# Altium PCB SFPP.PcbDoc (part 3 of 4) (continued)
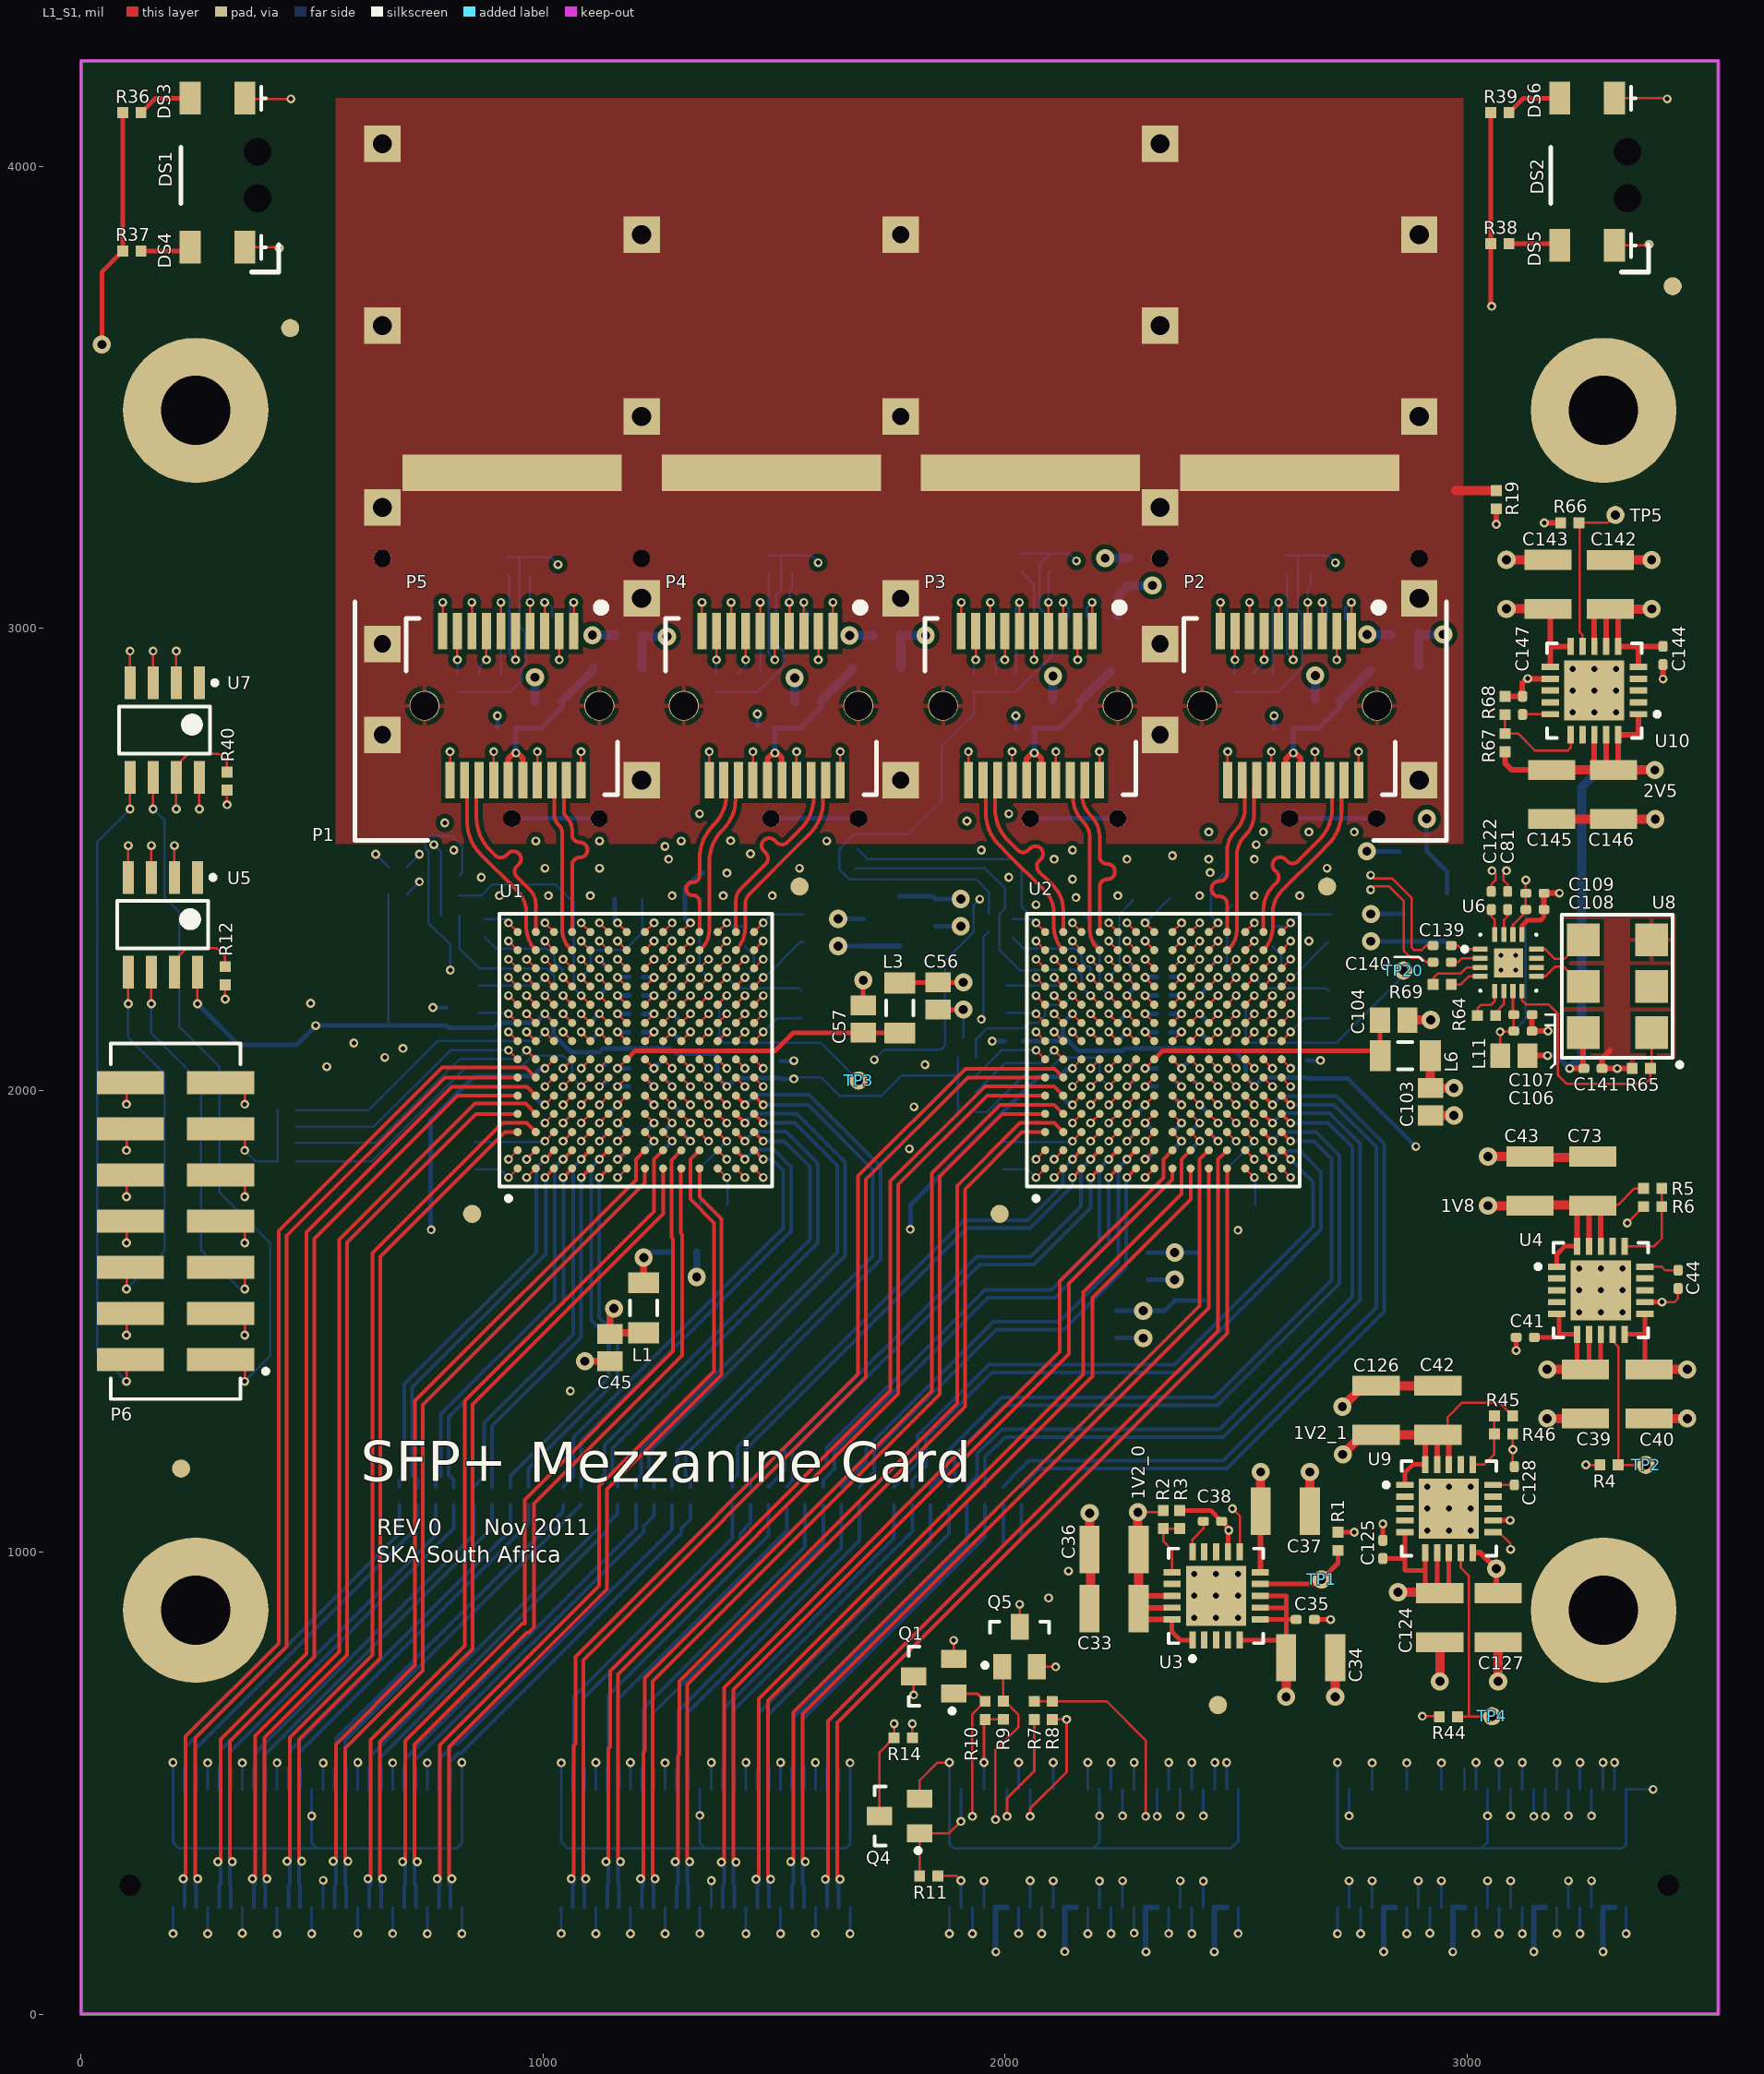
[diagram p0: L1_S1 view]
## Nets (pads, with @x,y where several pads share a name; then routed paths per layer and width w, separated by ;. In a path a pad name is that pad's centre, name@x,y a point inside that pad or via, vN(x,y) a via of type N, cw(c..) or ccw(c..) an arc to the next point about the centre after c; other vN are vias at no path point) (continued)
NetR65_2: R65.2 U6.8 U8.1 | length 556
  L1_S1 w5: U6.8@3118.78,2214.72 3118.78,2194.22 3127,2186 3176,2186 3196,2166 3196,2033 3215,2014 3385,2014 3396.69,2025.69 R65.2@3396.69,2047 3398.82,2049.13 U8.1@3398.82,2125
NetR66_1: R66.1 TP5.1 U10.9 | length 355.4
  L1_S1 w5: U10.9@3249.72,2960.47 3249.72,2985.28 3243,2992 3243,3228 3304,3228 TP5.1@3321,3245
NetR67_1: R67.1 R68.2 U10.16 | length 229.1
  L1_S1 w5: R68.2@3082,2812.75 R67.1@3082,2772.12 3109.88,2772.12 3147,2735 3218,2735 3224.13,2741.13 U10.16@3224.13,2769.53
NetR69_1: R69.1 U6.4 | length 69.7
  L1_S1 w5: R69.1@2965.69,2229 2986,2229 3003.22,2246.22 U6.4@3028.23,2246.22
NetR69_2: R69.2 U6.3 | length 125
  L1_S1 w5: R69.2@2926.31,2229 2926.31,2242.31 2937,2253 2986,2253 2998.91,2265.91 U6.3@3028.23,2265.91
NetTP3_1: TP3.1 U1.M10 | length 466
  L1_S1 w5: U1.M10@1377.95,2185.04 v1(1397.64,2204.73)
  L8_S4 w5: v1(1397.64,2204.73) 1381,2188.09 1381,2114 1392,2103 1601,2103 TP3.1@1683,2021
NetTP20_1: TP20.1 U2.M10 | length 544.1
  L1_S1 w5: U2.M10@2519.68,2185.04 v1(2539.37,2204.73)
  L8_S4 w5: v1(2539.37,2204.73) 2521,2186.35 2521,2112 2530,2103 2717.17,2103 2862,2247.83 TP20.1@2862,2259
PHY0_RESET: J1.C18 Q1.1 R10.2 | length 393.5
  L1_S1 w5: v1(1929.29,428.29) 1929.29,649.76 R10.2@1956.69,677.17
  L1_S1 w6: Q1.1@1888.68,694.07 1939.79,694.07 R10.2@1956.69,677.17
  L8_S4 w6: v1(1929.29,428.29) J1.C18@1929.29,486.5
PHY0_SCL: P6.5 U1.E9 U5.6 | length 1837.7
  L1_S1 w5: v2(152.17,2187.2) U5.6@152.17,2255.91 ; v2(354.33,1569.68) P6.5@354.33,1613.78 ; v1(1082.68,2165.36) U1.E9@1102.36,2145.67
  L3_S2 w5: v2(152.17,2187.2) 171.37,2168 331,2168 391.35,2228.35 775.59,2228.35 818.9,2185.04 1062.99,2185.04 v1(1082.68,2165.36)
  L8_S4 w5: v2(152.17,2187.2) 152.17,2123.43 259.84,2015.75 259.84,1653.54 343.7,1569.68 v2(354.33,1569.68)
PHY0_SDA: P6.6 U1.D9 U5.5 | length 1852.7
  L1_S1 w5: v2(98.43,1569.68) P6.6@98.43,1613.78 ; v2(102.17,2187.2) U5.5@102.17,2255.91 ; v1(1043.31,2165.36) U1.D9@1062.99,2145.67
  L3_S2 w3.94: v1@1035.27,2165.36 v1(1043.31,2165.36)
  L3_S2 w5: v2(102.17,2187.2) 136.37,2153 335,2153 399.35,2217.35 771.03,2217.35 842.38,2146 1023.95,2146 v1(1043.31,2165.36)
  L8_S4 w5: v2(98.43,1569.68) 181.1,1652.36 181.1,2035.43 102.17,2114.37 v2(102.17,2187.2)
PHY0_SLV_SCL: P6.14 U1.E5 | length 1158.1
  L1_S1 w5: v2(98.43,1969.68) P6.14@98.43,2013.78 ; v1(1082.68,1968.5) U1.E5@1102.36,1988.19
  L3_S2 w3.94: v1@1074.64,1968.5 v1(1082.68,1968.5)
  L3_S2 w5: v2(98.43,1969.68) 132.68,2003.94 680.06,2003.94 775,1909 1050,1909 1063,1922 1063,1948.83 v1(1082.68,1968.5)
PHY0_SLV_SDA: P6.13 U1.E4 | length 924.8
  L1_S1 w5: v2(354.33,1969.68) P6.13@354.33,2013.78 ; v1(1082.68,1929.13) U1.E4@1102.36,1948.82
  L3_S2 w5: v2(354.33,1969.68) 390.94,1933.07 720.47,1933.07 783.54,1870 1053,1870 1095,1870 1103,1878 1103,1908.81 v1(1082.68,1929.13)
PHY1_RESET: J1.C19 Q5.1 R9.2 | length 416.9
  L1_S1 w5: v1@1979.29,428.29 1979.29,572.29 2029,622 2029,648.17 1996,681.17 1996,750.06 Q5.1@1994.09,751.97
  L8_S4 w6: v1@1979.29,428.29 J1.C19@1979.29,486.5
  other v1: 1979.29,421.29
PHY1_SCL: P6.1 U2.E9 U7.6 | length 3886.5
  L1_S1 w5: v2(156.1,2608.46) U7.6@156.1,2677.17 ; v2(354.33,1369.68) P6.1@354.33,1413.78 ; v1(2224.41,2165.36) U2.E9@2244.09,2145.67
  L3_S2 w5: v2(156.1,2608.46) 187.57,2577 286,2577 430.14,2432.86 739.82,2432.86 ; 740.03,2433.07 739.82,2432.86 ; v1(2224.41,2165.36) 2203.76,2186 2059,2186 2029,2216 2029,2261.56 1974.8,2315.75 1860.25,2315.75 1683,2493 1583.73,2493 1567.21,2509.51 1543.02,2509.51 1526.51,2493 1416.29,2493 1410.09,2499.2 1385.91,2499.2 1379.71,2493 1290.39,2493 1279.19,2481.8 1264.11,2481.8 1256.91,2489 1197,2489 1170.12,2462.11 1088.12,2462.11 1027.57,2401.57 771.11,2401.57 739.82,2432.86
  L8_S4 w5: v2(156.1,2608.46) 181.1,2583.46 181.1,2417.32 212.6,2385.83 212.6,2137.8 299.21,2051.18 299.21,1779.53 409.45,1669.29 409.45,1424.8 v2(354.33,1369.68)
PHY1_SDA: P6.2 U2.D9 U7.5 | length 3863.7
  L1_S1 w5: v2(98.43,1369.68) P6.2@98.43,1413.78 ; v2(106.1,2608.46) U7.5@106.1,2677.17 ; v1(2185.04,2165.36) U2.D9@2204.72,2145.67
  L3_S2 w5: v2(106.1,2608.46) 149.85,2564.72 282.72,2564.72 425.58,2421.86 ; 437,2421.86 425.58,2421.86 ; v1(2185.04,2165.36) 2165.68,2146 2063.37,2146 2020,2189.37 2020,2255 1970.25,2304.75 1855.25,2304.75 1678,2482 1579.17,2482 1562.66,2498.51 1547.58,2498.51 1531.06,2482 1411.74,2482 1405.54,2488.2 1390.46,2488.2 1384.26,2482 1294.95,2482 1283.75,2470.8 1259.56,2470.8 1252.36,2478 1210,2478 1183.12,2451.11 1093.12,2451.11 1032.57,2390.57 766.55,2390.57 735.27,2421.86 425.58,2421.86
  L8_S4 w5: v2(98.43,1369.68) 35.43,1432.68 35.43,2537.8 v2(106.1,2608.46)
PHY1_SLV_SCL: P6.10 U2.E5 | length 2347.2
  L1_S1 w5: v2(98.43,1769.68) P6.10@98.43,1813.78 ; v1(2224.41,1968.5) U2.E5@2244.09,1988.19
  L3_S2 w3.94: v1@2216.38,1968.5 v1(2224.41,1968.5)
  L3_S2 w5: v2(98.43,1769.68) 120.08,1791.34 826.77,1791.34 854.33,1763.78 1523.62,1763.78 1771.84,2012 2106.11,2012 2130.11,1988 2204.91,1988 v1(2224.41,1968.5)
PHY1_SLV_SDA: P6.9 U2.E4 | length 2121.6
  L1_S1 w5: v2(354.33,1769.68) P6.9@354.33,1813.78 ; v1(2224.41,1929.13) U2.E4@2244.09,1948.82
  L3_S2 w3.94: v1@2216.38,1929.13 v1(2224.41,1929.13)
  L3_S2 w5: v2(354.33,1769.68) 831.32,1769.68 848.22,1752.78 1528.18,1752.78 1685.4,1910 1795,1910 1835,1870 2192,1870 2237,1870 2244.09,1877.09 2244.09,1909.45 v1(2224.41,1929.13)
PHY_MDC: J1.C20 R7.1 U1.D7 U2.D7 | length 4009.1
  L1_S1 w5: v1(1043.31,2047.24) U1.D7@1062.99,2066.93 ; v1(2185.04,2047.24) U2.D7@2204.72,2066.93
  L1_S1 w6: v1(2004.29,428.29) 2004.29,467.29 2062.99,525.99 R7.1@2062.99,637.8
  L3_S2 w5: v2(1058.97,1349) 1058.97,1299.29 1452.97,905.29 2089.71,905.29 v2(2094,901) 2094,793 2004.29,703.29 v1(2004.29,428.29)
  L6_S3 w3.94: v1(1043.31,2047.24) 1043.31,2030.03 1058.97,2014.36 1058.97,1665.27 ; v1(2185.04,2047.24) 2200.71,2031.57 2200.71,1752.05 2200.79,1751.97
  L6_S3 w5: v2(1058.97,1349) 1058.97,1665.27 ; v2(2094,901) 2094,1087.29 2200.71,1194 2200.71,1752.05
  L8_S4 w6: v1(2004.29,428.29) J1.C20@2004.29,486.5
PHY_MDIO: J1.C21 R8.1 U1.E7 U2.E7 | length 4003.9
  L1_S1 w5: v1(1082.68,2047.24) U1.E7@1102.36,2066.93 ; R8.1@2102.36,637.8 2102.57,638 v2(2133,638) ; v1(2224.41,2047.24) U2.E7@2244.09,2066.93
  L1_S1 w6: v3(2054.29,428.29) 2054.29,445.29 2133,524 v2(2133,638)
  L3_S2 w5: v2(2133,638) 2137,638 v2(2137,959)
  L6_S3 w3.94: v1(1082.68,2047.24) 1082.68,2030.03 1067.01,2014.36 1067.01,1751.89 1086.61,1732.28 ; 2223,1780.94 2208.74,1795.2 2208.74,2014.36 2224.41,2030.03 v1(2224.41,2047.24)
  L6_S3 w5: 1086.61,1732.28 1086.61,1519.69 1133.86,1472.44 1133.86,1302.14 1606,830 2108,830 2137,801 2137,642 v2(2133,638) ; v2@2137,958 v2(2137,959) 2137,1109 2223,1195 2223,1780.94
  L8_S4 w6: v3(2054.29,428.29) J1.C21@2054.29,486.5
PHY_MODE0: Q4.3 R14.1 U1.K11 U2.K11 | length 4934.4
  L1_S1 w5: U1.K11@1299.21,2224.41 v1(1318.9,2244.1) ; Q4.3@1728.35,429.13 1728.35,566.93 R14.1@1759.84,598.43 v2(1759.84,628.94) ; U2.K11@2440.94,2224.41 v1(2460.63,2244.1)
  L3_S2 w3.94: v1(2460.63,2244.1) 2480.31,2263.78 2629.92,2263.78 2657.48,2291.34 v1(2657.48,2322.84)
  L6_S3 w3.94: v1(1318.9,2244.1) 1303.23,2228.43 1303.23,2196.77 1314.96,2185.04 1326.77,2185.04 1334.65,2177.17 1334.65,1822.83 1370.08,1787.4 ; 2614.17,1716.54 2657.48,1759.84 v1(2657.48,2322.84)
  L6_S3 w5: 1370.08,1787.4 1370.08,1279.92 1793,857 2171,857 ; v2(1759.84,628.94) 1785.91,655 2029,655 2082,602 2152,602 2171,621 2171,857 ; 2614.17,1716.54 2496.06,1716.54 2460.63,1681.1 2460.63,1125.63 2192,857 2171,857
PHY_MODE1: R18.2 U1.M9 U2.M9 | length 2940.8
  L1_S1 w5: U1.M9@1377.95,2145.67 v1(1397.64,2165.36) ; U2.M9@2519.68,2145.67 v1(2539.37,2165.36)
  L3_S2 w5: v1(732.28,2510.61) 746.83,2496.06 949.49,2496.06 983.44,2462.11 1052.56,2462.11 1101.44,2511 1193,2511 1209.56,2527.56 v2(1263.78,2527.56) 1270.17,2521.17 1376.76,2521.17 1413.08,2521.2 1432.89,2541.01 1582.55,2541.01 1603.87,2519.68 1744.09,2519.68 1877.95,2385.83 1892.45,2385.83 ; 1892.47,2385.81 1980.3,2385.81 2025.49,2431 2078.59,2431 2134.59,2487 2174,2487 2211.43,2524.43 2315.76,2524.43 2352,2488.19 2389.76,2488.19 2426.01,2524.43 2536.24,2524.43 v2(2543.31,2531.5)
  L6_S3 w3.94: 1370.08,2389.76 1381.97,2377.87 1381.97,2181.02 v1(1397.64,2165.36) ; v1(2539.37,2165.36) 2523.7,2181.02 2523.7,2374.1 2557.04,2407.43 2557.04,2517.76
  L6_S3 w5: v2(1263.78,2527.56) 1285.29,2527.56 1370.08,2442.77 1370.08,2389.76 ; v2(2543.31,2531.5) 2557.04,2517.76
  L8_S4 w5: R18.2@704.72,2483.06 v1(732.28,2510.61)
PHY_MODE2: R15.1 U1.L10 U2.L10 | length 2676.7
  L1_S1 w5: U1.L10@1338.58,2185.04 v1(1358.27,2204.73) ; U2.L10@2480.31,2185.04 v1(2500,2204.73)
  L3_S2 w5: v1(732.28,2451.06) 761.54,2480.32 949.68,2480.32 978.89,2451.11 1057.12,2451.11 1106,2500 v2(1271.65,2500) 1281.65,2510 1381.15,2510 1381.35,2510.2 1414.65,2510.2 1414.85,2510 1421.27,2510 1441.28,2530.01 1577.99,2530.01 1604,2504 1692.85,2504 1870.1,2326.75 1937,2326.75 2030.25,2420 2083.15,2420 2138.04,2474.89 2440.11,2474.89 v2(2444,2471)
  L6_S3 w3.94: 1295,2500 1358.27,2436.73 1358.27,2389.6 1366.57,2381.3 1366.7,2381.3 1374.02,2373.98 1374.02,2220.47 v1(1358.27,2204.73) ; v2@2440,2471 2515.67,2395.33 2515.67,2220.39 v1(2500,2204.73)
  L6_S3 w5: v2(1271.65,2500) 1295,2500 ; v2@2440,2471 v2(2444,2471)
  L8_S4 w5: R15.1@704.72,2423.5 v1(732.28,2451.06)
PHY_TRSTN: R13.2 U1.K10 U2.K10 | length 2145.8
  L1_S1 w5: U1.K10@1299.21,2185.04 v1(1318.9,2204.73) ; U2.K10@2440.94,2185.04 v1(2460.63,2204.73)
  L3_S2 w5: v2(1944.88,2413.39) 1976.38,2413.39 2004.99,2442 2074.04,2442 2130.04,2498 2167,2498 2204.43,2535.43 2334.65,2535.43 v1(2362.2,2507.87)
  L6_S3 w3.94: v1(1318.9,2204.73) 1342.6,2181.02 1342.6,1920.4 1353,1910 1505,1910 1661,2066 ; 2401.57,2236.22 2413.39,2224.41 2440.95,2224.41 v1(2460.63,2204.73)
  L6_S3 w5: 1661,2066 v2(1717,2066) ; v1(2362.2,2507.87) 2362.2,2491.8 2401.57,2452.43 2401.57,2236.22
  L8_S4 w5: v2(1717,2066) 1739,2088 1861.08,2088 1870.08,2097 R13.2@1870.08,2114.17 1870.08,2281.01 1932.33,2343.26 1932.33,2400.83 v2(1944.88,2413.39)
SFI0_SCL: P5.5 R42.1 U1.F5 | length 2400
  L1_S1 w5: v2(940.43,2931.69) P5.5@940.43,2993.7 ; v1(1122.05,1968.5) U1.F5@1141.73,1988.19
  L3_S2 w5: v2(590.55,2102.36) 602.36,2114.17 759.84,2114.17 846.46,2027.56 881.89,2027.56 1133.86,2027.56 1141.73,2019.69 1141.73,1988.19 v1(1122.05,1968.5)
  L6_S3 w5: v2(590.55,2102.36) 590.55,3051.18 637.8,3098.43 909.45,3098.43 940.43,3067.44 v2(940.43,2931.69)
  L8_S4 w5: R42.1@925.2,3114.17 927.13,3112.24 927.13,2944.99 v2(940.43,2931.69)
SFI0_SDA: P5.4 R41.1 U1.F4 | length 2373.2
  L1_S1 w5: P5.4@971.93,2993.7 v2(971.93,3055.71) ; v1(1122.05,1929.13) U1.F4@1141.73,1948.82
  L3_S2 w5: v2(657.48,2070.87) 712.6,2070.87 795.28,1988.19 870.08,1988.19 1094.49,1988.19 1105.85,1976.83 1105.85,1945.33 v1(1122.05,1929.13)
  L6_S3 w5: v2(657.48,2070.87) 574.8,2070.87 555.12,2090.55 555.12,3122.05 622.05,3188.98 905.51,3188.98 972.44,3122.05 972.44,3056.22 v2(971.93,3055.71)
  L8_S4 w5: v2(971.93,3055.71) 971.93,3109.72 R41.1@976.38,3114.17
SFI1_SCL: P4.5 R47.1 U1.L6 | length 1295.4
  L1_S1 w5: U1.L6@1338.58,2027.56 v1(1358.27,2007.87) ; v2(1501.45,2931.69) P4.5@1501.45,2993.7
  L6_S3 w3.94: v1(1358.27,2007.87) 1373.94,2023.54 1373.94,2080.12 1413.31,2119.5 1413.31,2381.96 1412.87,2382.4 1412.87,2433.58 1405.51,2440.94
  L6_S3 w5: 1405.51,2440.94 1394.66,2451.8 1390.46,2451.8 1379.44,2462.82 1379.44,2809.68 v2(1501.45,2931.69)
  L8_S4 w5: R47.1@1488.19,3118.11 1488.19,2944.96 v2(1501.45,2931.69)
SFI1_SDA: P4.4 R43.1 U1.L5 | length 1314.5
  L1_S1 w5: U1.L5@1338.58,1988.19 v1(1358.27,1968.5) ; P4.4@1532.95,2993.7 v2(1532.95,3055.71)
  L6_S3 w3.94: v1(1358.27,1968.5) 1381.89,1992.12 1381.89,2076.85 1421.34,2116.3 1421.34,2385.91
  L6_S3 w5: 1421.34,2385.91 1423,2387.57 1423,2820 1532.95,2929.95 v2(1532.95,3055.71)
  L8_S4 w5: v2(1532.95,3055.71) 1532.95,3080.19 1539.37,3086.61 R43.1@1539.37,3118.11
SFI2_SCL: P3.5 R49.1 U2.F5 | length 1886.9
  L1_S1 w5: v2(2062.48,2931.69) P3.5@2062.48,2993.7 ; v1(2263.78,1968.5) U2.F5@2283.46,1988.19
  L3_S2 w5: v2(1803,1964) 1842,1925 1857.55,1909.45 2193.45,1909.45 2204,1920 2204,1941 2212,1949 2244.28,1949 v1(2263.78,1968.5)
  L6_S3 w5: v2(1803,1964) 1803.15,1964.15 1803.15,2568.15 ; 1803,2568 1803.15,2568.15 ; v2(2062.48,2931.69) 1867,2736.22 1867,2632 1803.15,2568.15
  L8_S4 w5: R49.1@2035.43,3122.05 2062.48,3095 v2(2062.48,2931.69)
SFI2_SDA: P3.4 R48.1 U2.F4 | length 2097.5
  L1_S1 w5: P3.4@2093.97,2993.7 v2(2093.97,3055.71) ; v1(2263.78,1929.13) U2.F4@2283.46,1948.82
  L3_S2 w5: v2(1793,1873) 1836,1830 2235,1830 2276,1830 2283.46,1837.46 2283.46,1909.45 v1(2263.78,1929.13)
  L6_S3 w5: v2(1793,1873) 1767.72,1898.28 1767.72,2548.27 1856,2636.56 1856,2749.7 2031.5,2925.2 2031.5,2993.23 v2(2093.97,3055.71)
  L8_S4 w5: v2(2093.97,3055.71) 2093.97,3117.59 R48.1@2098.43,3122.05
SFI3_SCL: P2.5 R51.1 U2.L6 | length 1333.3
  L1_S1 w5: U2.L6@2480.31,2027.56 v1(2500,2007.87) ; v2(2623.5,2931.69) P2.5@2623.5,2993.7
  L6_S3 w3.94: 2409.53,2480.47 2484.33,2405.67 2484.33,2023.54 v1(2500,2007.87)
  L6_S3 w5: 2409.53,2480.47 2409.53,2695.53 2623.5,2909.5 v2(2623.5,2931.69)
  L8_S4 w5: R51.1@2606.3,3118.11 2610.2,3114.21 2610.2,2944.99 v2(2623.5,2931.69)
SFI3_SDA: P2.4 R50.1 U2.L5 | length 1384.4
  L1_S1 w5: U2.L5@2480.31,1988.19 v1(2500,1968.5) ; P2.4@2655,2993.7 v2(2655,3055.71)
  L6_S3 w3.94: v1(2500,1968.5) 2515.67,1984.17 2519.5,1988 2550.99,1988 2588,1988 2598.43,1998.43 2598.43,2031.5 2598.43,2417.32
  L6_S3 w5: 2598.43,2417.32 2598.43,2433.07 2700.79,2535.43 2700.79,2917 2677.17,2940.62 2677.17,2988.19 2655,3010.36 v2(2655,3055.71)
  L8_S4 w5: v2(2655,3055.71) 2655,3084.13 2661.42,3090.55 R50.1@2661.42,3118.11
SFI_RX0_N: P5.12 U1.B13 | length 387.3
  L1_S1 w8: P5.12@836,2639 836,2627 836,2579.6 ccw(c931.6,2579.6) 864,2512 944.63,2431.37 cw(c898.25,2385) 963.83,2385 963.83,2352.44 ccw(c1033.54,2352.44) U1.B13@984.25,2303.15
SFI_RX0_P: P5.13 U1.B14 | length 387.3
  L1_S1 w8: P5.13@856,2634 856,2590.42 ccw(c956,2590.42) 885.29,2519.71 896.75,2508.25 ccw(c908.41,2519.92) 920.08,2508.25 924.04,2512.22 cw(c935.71,2500.55) 947.38,2512.22 cw(c935.71,2500.55) 947.38,2488.88 943.42,2484.92 ccw(c955.08,2473.25) 943.42,2461.58 965,2440 971.62,2433.38 cw(c941.12,2402.88) 984.25,2402.88 U1.B14@984.25,2342.52
SFI_RX1_N: P4.12 U1.L14 | length 347.9
  L1_S1 w8: U1.L14@1338.58,2342.52 1338.58,2387 1338.58,2408 ccw(c1324.58,2408) 1324.58,2422 1323.7,2422 cw(c1323.7,2436) 1309.7,2436 cw(c1323.7,2436) 1323.7,2450 1324.58,2450 ccw(c1324.58,2464) 1338.58,2464 1338.58,2478 1338.58,2492 1338.58,2500 cw(c1443.88,2500) 1369.42,2574.46 ccw(c1302.85,2641.03) P4.12@1397,2641.03
SFI_RX1_P: P4.13 U1.L13 | length 347.9
  L1_S1 w8: U1.L13@1338.58,2303.15 U1.L13@1343.28,2307.85 ; U1.L13@1343.74,2307.39 ccw(c1305.14,2346) 1359.74,2346 1359.74,2492 ; 1359.74,2493.35 cw(c1459.74,2493.35) 1389.03,2564.06 1390,2565.03 ccw(c1324.82,2630.22) 1417,2630.22
SFI_RX2_N: P3.12 U2.B13 | length 393.3
  L1_S1 w8: P3.12@1958,2637 1958,2601.15 ccw(c2058,2601.15) 1987.29,2530.44 2005.73,2512 2086.36,2431.37 cw(c2039.98,2385) 2105.57,2385 2105.57,2352.44 ccw(c2175.28,2352.44) U2.B13@2125.98,2303.15
SFI_RX2_P: P3.13 U2.B14 | length 393.3
  L1_S1 w8: P3.13@1978,2634 1978,2610.15 ccw(c2078,2610.15) 2007.29,2539.44 2027.02,2519.71 ccw(c2038.69,2531.38) 2050.36,2519.71 2054.02,2523.37 cw(c2065.68,2511.7) 2077.35,2523.37 cw(c2065.68,2511.7) 2077.35,2500.04 2073.69,2496.38 ccw(c2085.36,2484.71) 2073.69,2473.04 2089.87,2456.87 2104.24,2442.49 cw(c2051.75,2390) 2125.98,2390 U2.B14@2125.98,2342.52
SFI_RX3_N: P2.12 U2.L14 | length 379.3
  L1_S1 w8: U2.L14@2480.31,2342.52 2480.31,2377 2480.31,2403 ccw(c2463.81,2403) 2463.81,2419.5 2463.1,2419.5 cw(c2463.1,2436) 2446.6,2436 cw(c2463.1,2436) 2463.1,2452.5 2463.81,2452.5 ccw(c2463.81,2469) 2480.31,2469 2480.31,2485.5 2480.31,2502 2480.31,2517 cw(c2544.11,2517) 2499,2562.11 ccw(c2450.72,2610.39) 2519,2610.39 2519,2657.02 ccw(c2499.41,2657.02) P2.12@2513.26,2670.87
SFI_RX3_P: P2.13 U2.L13 | length 379.3
  L1_S1 w8: U2.L13@2485.48,2307.39 ccw(c2446.87,2346) 2501.47,2346 2501.47,2508 cw(c2561.94,2508) 2519.18,2550.76 ccw(c2471.33,2598.61) 2539,2598.61 2539,2656.96 cw(c2558.66,2656.96) P2.13@2544.76,2670.87
SFI_RX_LOS0: P5.8 U1.D6 | length 1256.7
  L1_S1 w5: P5.8@845.94,2993.7 v2(845.94,3055.71) ; v1(1043.31,2007.87) U1.D6@1062.99,2027.56
  L3_S2 w4: v1@1035.34,2007.87 v1(1043.31,2007.87)
  L6_S3 w4: v1(1043.31,2007.87) 1027.61,2023.57 1027.61,2328 1062.99,2363.39 1062.99,2519.68
  L6_S3 w5: v2(845.94,3055.71) 909.45,2992.2 909.45,2866.14 1019.68,2755.91 1047.24,2728.35 1062.99,2712.6 1062.99,2519.68
SFI_RX_LOS1: P4.8 U1.M7 | length 1415.4
  L1_S1 w5: U1.M7@1377.95,2066.93 v1(1397.64,2047.24) ; P4.8@1406.96,2993.7 v2(1406.96,3055.71)
  L6_S3 w3.94: v1(1397.64,2047.24) 1452.68,2102.28 1452.68,2425.28
  L6_S3 w5: v2(1406.96,3055.71) 1427.24,3035.43 1481.43,3035.43 1532.61,3086.61 1578.74,3086.61 1590.55,3074.8 1590.55,2968.5 1576,2953.95 1576,2572.06 1452.68,2448.74 1452.68,2425.28
SFI_RX_LOS2: P3.8 U2.D6 | length 1462.8
  L1_S1 w5: P3.8@1967.99,2993.7 v2(1967.99,3055.71) ; v1(2185.04,2007.87) U2.D6@2204.72,2027.56
  L6_S3 w5: v2(1967.99,3055.71) 2018.58,3106.3 2163.61,3106.3 2224.41,3045.5 2224.41,3019.41 2186,2981 2186,2943.95 2186.16,2943.79 2186.16,2919.6 2186,2919.43 2186,2654.5 2173.23,2641.73 2173.23,2307.09 2165.35,2299.21 2165.35,2027.56 v1(2185.04,2007.87)
SFI_RX_LOS3: P2.8 U2.M7 | length 1300.9
  L1_S1 w5: U2.M7@2519.68,2066.93 v1(2539.37,2047.24) ; P2.8@2529.01,2993.7 v2(2529.01,3055.71)
  L6_S3 w3.94: v1(2539.37,2047.24) 2555.04,2062.91 2555.04,2381.81 2566.93,2393.7
  L6_S3 w5: v2(2529.01,3055.71) 2529.01,3072.32 2547.24,3090.55 2622.05,3090.55 2636.8,3075.8 2636.8,2989.19 2641.7,2984.28 2641.7,2799.18 2600,2757.48 2600,2709.33 2575.26,2684.59 2575.26,2402.03 2566.93,2393.7
SFI_TX0_N: P5.19 U1.D14 | length 337
  L1_S1 w8: P5.19@1045,2637 1045,2624 1045,2604.07 ccw(c1062.07,2604.07) 1050,2592 cw(c1018.63,2560.63) 1062.99,2560.63 1062.99,2553 ccw(c1079.49,2553) 1079.49,2536.5 cw(c1079.49,2520) 1095.99,2520 cw(c1079.49,2520) 1079.49,2503.5 ccw(c1079.49,2487) 1062.99,2487 1062.99,2449.97 U1.D14@1062.99,2342.52
SFI_TX0_P: P5.18 U1.D13 | length 335.7
  L1_S1 w8: P5.18@1024,2634 1024,2598.14 ccw(c1058.14,2598.14) 1034,2574 cw(c1015.08,2555.08) 1041.84,2555.08 1041.84,2443.31 1041.84,2346 ccw(c1096.44,2346) U1.D13@1057.83,2307.39
SFI_TX1_N: P4.19 U1.N13 | length 405.9
  L1_S1 w8: U1.N13@1417.32,2303.15 ccw(c1368.03,2352.44) 1437.74,2352.44 ; 1437.74,2355 1437.74,2352.44 ; P4.19@1606.19,2637 1606.19,2625.61 cw(c1506.19,2625.61) 1576.9,2554.9 1554.29,2532.29 1447.46,2425.46 ccw(c1470.91,2402) 1437.74,2402 1437.74,2352.44
SFI_TX1_P: P4.18 U1.N14 | length 405.9
  L1_S1 w8: U1.N14@1417.32,2342.52 1417.32,2410 cw(c1454.32,2410) 1428.16,2436.16 1482,2490 ccw(c1470.33,2501.67) 1482,2513.33 1477.56,2517.77 cw(c1489.23,2529.44) 1477.56,2541.11 cw(c1489.23,2529.44) 1500.89,2541.11 1505.33,2536.67 ccw(c1517,2548.34) 1528.67,2536.67 1550.5,2558.5 1557.22,2565.22 ccw(c1488.25,2634.2) P4.18@1585.8,2634.2
SFI_TX2_N: P3.19 U2.D14 | length 343.7
  L1_S1 w8: P3.19@2167,2638.49 ccw(c2228.46,2638.49) 2185,2595.03 cw(c2137.38,2547.41) 2204.72,2547.41 2204.72,2509 2204.72,2506 ccw(c2221.22,2506) 2221.22,2489.5 cw(c2221.22,2473) 2237.72,2473 cw(c2221.22,2473) 2221.22,2456.5 ccw(c2221.22,2440) 2204.72,2440 2204.72,2423.5 2204.72,2407 U2.D14@2204.72,2342.52
SFI_TX2_P: P3.18 U2.D13 | length 343.5
  L1_S1 w8: P3.18@2147,2634.14 ccw(c2222.11,2634.14) 2169,2581.03 cw(c2133.82,2545.86) 2183.57,2545.86 2183.57,2502.35 ; 2183.57,2505 2183.57,2346 ccw(c2238.17,2346) U2.D13@2199.56,2307.39
SFI_TX3_N: P2.19 U2.N13 | length 392.7
  L1_S1 w8: U2.N13@2559.06,2303.15 ccw(c2509.76,2352.44) 2579.47,2352.44 2579.47,2385 cw(c2645.06,2385) 2598.68,2431.37 2679.31,2512 2698.71,2531.4 ccw(c2628,2602.11) 2728,2602.11 P2.19@2728,2636
SFI_TX3_P: P2.18 U2.N14 | length 392.7
  L1_S1 w8: U2.N14@2559.06,2342.52 2559.06,2390 cw(c2633.29,2390) 2580.8,2442.49 2587.41,2449.1 ccw(c2575.74,2460.77) 2587.41,2472.44 2583.75,2476.1 cw(c2595.42,2487.77) 2583.75,2499.43 cw(c2595.42,2487.77) 2607.08,2499.43 2610.75,2495.77 ccw(c2622.41,2507.44) 2634.08,2495.77 2658.02,2519.71 2678.71,2540.4 ccw(c2608,2611.11) 2708,2611.11 P2.18@2708,2633
SHGND: P1.1 P1.2 P1.3 P1.4 P1.5 P1.6 P1.7 P1.8 P1.9 P1.10 P1.11 P1.12 P1.13 P1.14 P1.15 P1.16 P1.17 P1.18 P1.19 P1.20 P1.21 P1.22 P1.23 P1.24 P1.25 P1.26 P1.27 P1.28 P1.29 P1.30 P1.31 P1.32 P1.33 P1.34 P1.G1 P1.G2 P1.G3 P1.G4 P2.M1 P2.M2 P3.M1 P3.M2 P4.M1 P4.M2 P5.M1 P5.M2 R19.1 | length 843.4
  L1_S1 w20: 2975.53,3297.69 R19.1@3063,3297.69
  L8_S4 w10: P1.32@932.56,2588.19 P1.31@1121.53,2588.19 ; P1.29@1493.58,2588.19 P1.28@1682.56,2588.19 ; P1.26@2054.6,2588.19 P1.24@2243.58,2588.19 ; P1.34@2615.63,2588.19 P1.27@2804.6,2588.19
VDD12_0: C46.2 C63.2 C64.2 C65.2 C66.2 C67.2 C68.2 C110.2 L1.2 U1.F7 U1.G4 U1.G5 U1.G9 U1.H9 U1.J4 U1.J5 U1.J7 | length 525.9
  L1_S1 w5: v1(1122.05,2047.24) U1.F7@1141.73,2066.93 ; v1(1161.42,1929.13) U1.G4@1181.1,1948.82 ; v1(1161.42,1968.5) U1.G5@1181.1,1988.19 ; v1(1161.42,2165.36) U1.G9@1181.1,2145.67 ; U1.H9@1220.47,2145.67 v1(1240.16,2165.36) ; U1.J4@1259.84,1948.82 v1(1279.53,1929.13) ; U1.J5@1259.84,1988.19 v1(1279.53,1968.5) ; U1.J7@1259.84,2066.93 v1(1279.53,2047.24)
  L1_S1 w15: L1.2@1218,1583.13 v4@1218,1637.58
  L8_S4 w10: v1(1122.05,2047.24) 1124.56,2047.24 C66.2@1141,2063.69 ; C63.2@1142,1949.69 1142.6,1949.69 v1(1161.42,1968.5) ; v1(1161.42,1929.13) 1181.86,1908.69 C64.2@1183,1908.69 ; v1(1161.42,2165.36) 1162.09,2164.69 C67.2@1186,2164.69 ; C65.2@1216,2164.69 1239.49,2164.69 v1(1240.16,2165.36) ; C110.2@1260,1909.69 C110.2@1260.08,1909.69 v1(1279.53,1929.13) ; v1(1279.53,1968.5) 1279.53,1968.16 C68.2@1299,1948.69
  L8_S4 w12: v4(1217.91,1637.58) 1230.33,1650 C46.2@1273.7,1650
VDD12_1: C61.2 C62.2 C86.2 C87.2 C88.2 C89.2 C90.2 C129.2 L4.2 U2.F7 U2.G4 U2.G5 U2.G9 U2.H9 U2.J4 U2.J5 U2.J7 | length 521.8
  L1_S1 w5: v1(2263.78,2047.24) U2.F7@2283.46,2066.93 ; v1(2303.15,1929.13) U2.G4@2322.83,1948.82 ; v1(2303.15,1968.5) U2.G5@2322.83,1988.19 ; v1(2303.15,2165.36) U2.G9@2322.83,2145.67 ; U2.H9@2362.2,2145.67 v1(2381.89,2165.36) ; U2.J4@2401.57,1948.82 v1(2421.26,1929.13) ; U2.J5@2401.57,1988.19 v1(2421.26,1968.5) ; U2.J7@2401.57,2066.93 v1(2421.26,2047.24)
  L8_S4 w10: v1(2263.78,2047.24) 2266.29,2047.24 C90.2@2282.73,2063.69 ; C62.2@2283.73,1949.69 2284.33,1949.69 v1(2303.15,1968.5) ; v1(2303.15,1929.13) 2323.6,1908.69 C86.2@2324.73,1908.69 ; v1@2303.82,2164.69 C87.2@2327.73,2164.69 ; C61.2@2308.87,1649.02 2309.27,1648.62 v4(2367.16,1648.62) L4.2@2421.87,1648.62 ; C88.2@2357.73,2164.69 v1@2381.22,2164.69 ; C89.2@2401.73,1909.69 2401.81,1909.69 v1(2421.26,1929.13) ; v1(2421.26,1968.5) 2421.26,1968.16 C129.2@2440.73,1948.69
VDD18_0: C48.2 C49.2 C50.2 C51.2 C52.2 C111.2 C114.2 L2.2 U1.F9 U1.F10 U1.G10 U1.H10 U1.J9 U1.J10 | length 461.3
  L1_S1 w5: v1(1122.05,2165.36) U1.F9@1141.73,2145.67 ; v1(1122.05,2204.73) U1.F10@1141.73,2185.04 ; v1(1161.42,2204.73) U1.G10@1181.1,2185.04 ; U1.H10@1220.47,2185.04 v1(1240.16,2204.73) ; U1.J9@1259.84,2145.67 v1(1279.53,2165.36) ; U1.J10@1259.84,2185.04 v1(1279.53,2204.73)
  L8_S4 w10: C50.2@1102,2145.69 1102.38,2145.69 v1(1122.05,2165.36) ; v1(1122.05,2204.73) 1122.41,2204.73 C49.2@1141,2223.31 ; v1(1161.42,2204.73) 1162.01,2205.31 C114.2@1187,2205.31 ; C111.2@1216,2205.31 1239.57,2205.31 v1(1240.16,2204.73) ; v1(1279.53,2165.36) 1299,2145.88 C52.2@1299,2145.69 ; v1(1279.53,2204.73) 1279.53,2205.84 C51.2@1299,2225.31 ; v4(1638.71,2311.94) C48.2@1693.43,2311.94
  L8_S4 w12: C48.2@1693.43,2311.94 1693.76,2311.6 L2.2@1771.39,2311.6
VDD18_1: C95.2 C96.2 C97.2 C98.2 C99.2 C130.2 C131.2 L5.2 U2.F9 U2.F10 U2.G10 U2.H10 U2.J9 U2.J10 | length 494.6
  L1_S1 w5: v1(2263.78,2165.36) U2.F9@2283.46,2145.67 ; v1(2263.78,2204.73) U2.F10@2283.46,2185.04 ; v1(2303.15,2204.73) U2.G10@2322.83,2185.04 ; U2.H10@2362.2,2185.04 v1(2381.89,2204.73) ; U2.J9@2401.57,2145.67 v1(2421.26,2165.36) ; U2.J10@2401.57,2185.04 v1(2421.26,2204.73)
  L8_S4 w10: C96.2@2243.73,2145.69 2244.11,2145.69 v1(2263.78,2165.36) ; v1(2263.78,2204.73) 2264.14,2204.73 C97.2@2282.73,2223.31 ; v1(2303.15,2204.73) 2303.74,2205.31 C98.2@2328.73,2205.31 ; C130.2@2357.73,2205.31 2381.3,2205.31 v1(2381.89,2204.73) ; v1(2421.26,2165.36) 2440.73,2145.88 C131.2@2440.73,2145.69 ; v1(2421.26,2204.73) 2421.26,2205.84 C99.2@2440.73,2225.31 ; v4(2791.75,2322.42) C95.2@2862.36,2322.42 2952.76,2322.42 L5.2@2956.36,2318.82
VDDCLK_0: C57.2 C59.2 L3.2 U1.G7 | length 667.6
  L1_S1 w5: v1(1161.42,2047.24) U1.G7@1181.1,2066.93
  L1_S1 w10: U1.G7@1181.1,2066.93 1199.68,2085.5 1502.83,2085.5 1541.8,2124.47 C57.2@1693,2124.47 1693.61,2123.87 L3.2@1772,2123.87
  L8_S4 w10: v1(1161.42,2047.24) 1161.86,2047.69 C59.2@1186,2047.69
VDDCLK_1: C104.2 C105.2 L6.2 U2.G7 | length 627.5
  L1_S1 w5: v1(2303.15,2047.24) U2.G7@2322.83,2066.93
  L1_S1 w10: U2.G7@2322.83,2066.93 2340.69,2084.79 2802.08,2084.79 L6.2@2811.87,2075 C104.2@2811.87,2149.39
  L8_S4 w10: v1(2303.15,2047.24) 2303.59,2047.69 C105.2@2327.73,2047.69
XAUI_CLK0_N: C122.2 U1.F14 | length 2471.4
  L1_S1 w5: v1(1122.05,2362.21) U1.F14@1141.73,2342.52 ; C122.2@3052.26,2430.29 3052.26,2445.34 3061.48,2454.56 3061.48,2468 v2@3054.48,2475
  L3_S2 w5: v1(1122.05,2362.21) 1141.42,2381.57 1164.3,2381.57 1183.73,2401 1559,2401 1579,2421 1666,2421 1789,2298 1789,2218.87 1942.87,2065 2114.96,2065 2146.79,2096.83 ; 2146.83,2096.83 2147,2097 2657,2097 2716,2156 2844,2156 3061,2373 3061,2472 3058,2475 v2(3053.8,2475)
XAUI_CLK0_P: C81.2 U1.F13 | length 2517.8
  L1_S1 w5: v1(1122.05,2322.84) U1.F13@1141.73,2303.15 ; v2@3085.48,2475 3078.48,2468 3078.48,2454.56 3087.69,2445.34 C81.2@3087.69,2430.29
  L3_S2 w5: v1(1122.05,2322.84) 1145.22,2346.01 1168.13,2346.01 1177.62,2355.5 1177.62,2370.85 1190.77,2384 1566.04,2384 1586.04,2404 1658.96,2404 1772,2290.96 1772,2211.83 1935.83,2048 2122,2048 2153.83,2079.83 2161.87,2079.83 2162.04,2080 2664.04,2080 2723.04,2139 2851.04,2139 3078,2365.96 3078,2472 3081,2475 v2(3085.2,2475)
XAUI_CLK1_N: C140.2 U2.F14 | length 864.1
  L1_S1 w5: v1(2263.78,2362.21) U2.F14@2283.46,2342.52 ; v2(2791,2434) 2798.2,2441.2 2831,2441.2 2863,2409.2 2863,2301.46 2877.96,2286.5 2901.63,2286.5 2911.13,2277 C140.2@2926.31,2277
  L3_S2 w5: v1@2261,2359.43 v1(2263.78,2362.21) 2287.57,2386 2448.8,2386 2504,2441.2 2783.8,2441.2 v2(2791,2434)
XAUI_CLK1_P: C139.2 U2.F13 | length 943
  L1_S1 w5: v1(2263.78,2322.84) U2.F13@2283.46,2303.15 ; v2(2791,2465.4) 2798.2,2458.2 2838.04,2458.2 2880,2416.24 2880,2308.5 2885,2303.5 2901.63,2303.5 2911.13,2313 C139.2@2926.31,2313
  L3_S2 w5: v1(2263.78,2322.84) 2263.78,2327.98 2244,2347.76 2244,2376.65 2270.35,2403 2441.76,2403 2496.96,2458.2 2783.8,2458.2 v2(2791,2465.4)
XAUI_CLK_N: U6.12 U8.4 | length 126.5
  L1_S1 w5: U6.12@3150.28,2305.28 3169.13,2305.28 3190.16,2284.25 3210.43,2284.25 U8.4@3251.18,2325
XAUI_CLK_P: U6.9 U8.5 | length 127.1
  L1_S1 w5: U6.9@3150.28,2246.22 3169.13,2246.22 3190.16,2267.25 3208.93,2267.25 U8.5@3251.18,2225
XAUI_CLKAC0_N: C122.1 U6.16 | length 57.2
  L1_S1 w5: C122.1@3052.26,2390.92 3052.26,2376.34 3059.72,2368.88 U6.16@3059.72,2336.77
XAUI_CLKAC0_P: C81.1 U6.15 | length 57.6
  L1_S1 w5: U6.15@3079.41,2336.77 3079.41,2368.06 3087.69,2376.34 C81.1@3087.69,2390.92
XAUI_CLKAC1_N: C140.1 U6.2 | length 66.1
  L1_S1 w5: C140.1@2965.69,2277 2980.13,2277 2988.72,2285.59 U6.2@3028.23,2285.59
XAUI_CLKAC1_P: C139.1 U6.1 | length 65.7
  L1_S1 w5: C139.1@2965.69,2313 2980.13,2313 2987.85,2305.28 U6.1@3028.23,2305.28
pads on no net: C103.1 DS1.1 DS1.2 DS1.M1 DS1.M2 DS2.1 DS2.2 DS2.M1 DS2.M2 J1.C22 J1.C23 J1.C24 J1.D17 J1.D18 J1.D19 J1.D20 J1.D21 J1.D22 J1.D23 J1.D24 J1.M1 J1.M2 P1.R1 P2.2 P3.2 P4.2 P5.2 U1.A8 U1.A10 U1.B8 U1.B10 U1.D8 U1.E8 U1.FU1 U1.H12 U1.H14 U1.J12 U1.J14 U1.K4 U1.K6 U1.K7 U1.K8 U1.K9 U1.L7 U1.L8 U1.M5 U1.M8 U1.N7 U1.N9 U1.P7 U1.P9 U2.A8 U2.A10 U2.B8 U2.B10 U2.D8 U2.E8 U2.FU1 U2.H12 U2.H14 U2.J12 U2.J14 U2.K4 U2.K6 U2.K7 U2.K8 U2.K9 U2.L7 U2.L8 U2.M5 U2.M8 U2.N7 U2.N9 U2.P7 U2.P9 U3.2 U3.3 U3.4 U3.13 U3.14 U3.17 U4.2 U4.3 U4.4 U4.13 U4.14 U4.17 U5.1 U6.10 U6.11 U7.1 U8.2 U9.2 U9.3 U9.4 U9.13 U9.14 U9.17 U10.2 U10.3 U10.4 U10.13 U10.14 U10.17